# KiCad board Marble.kicad_pcb (continued)
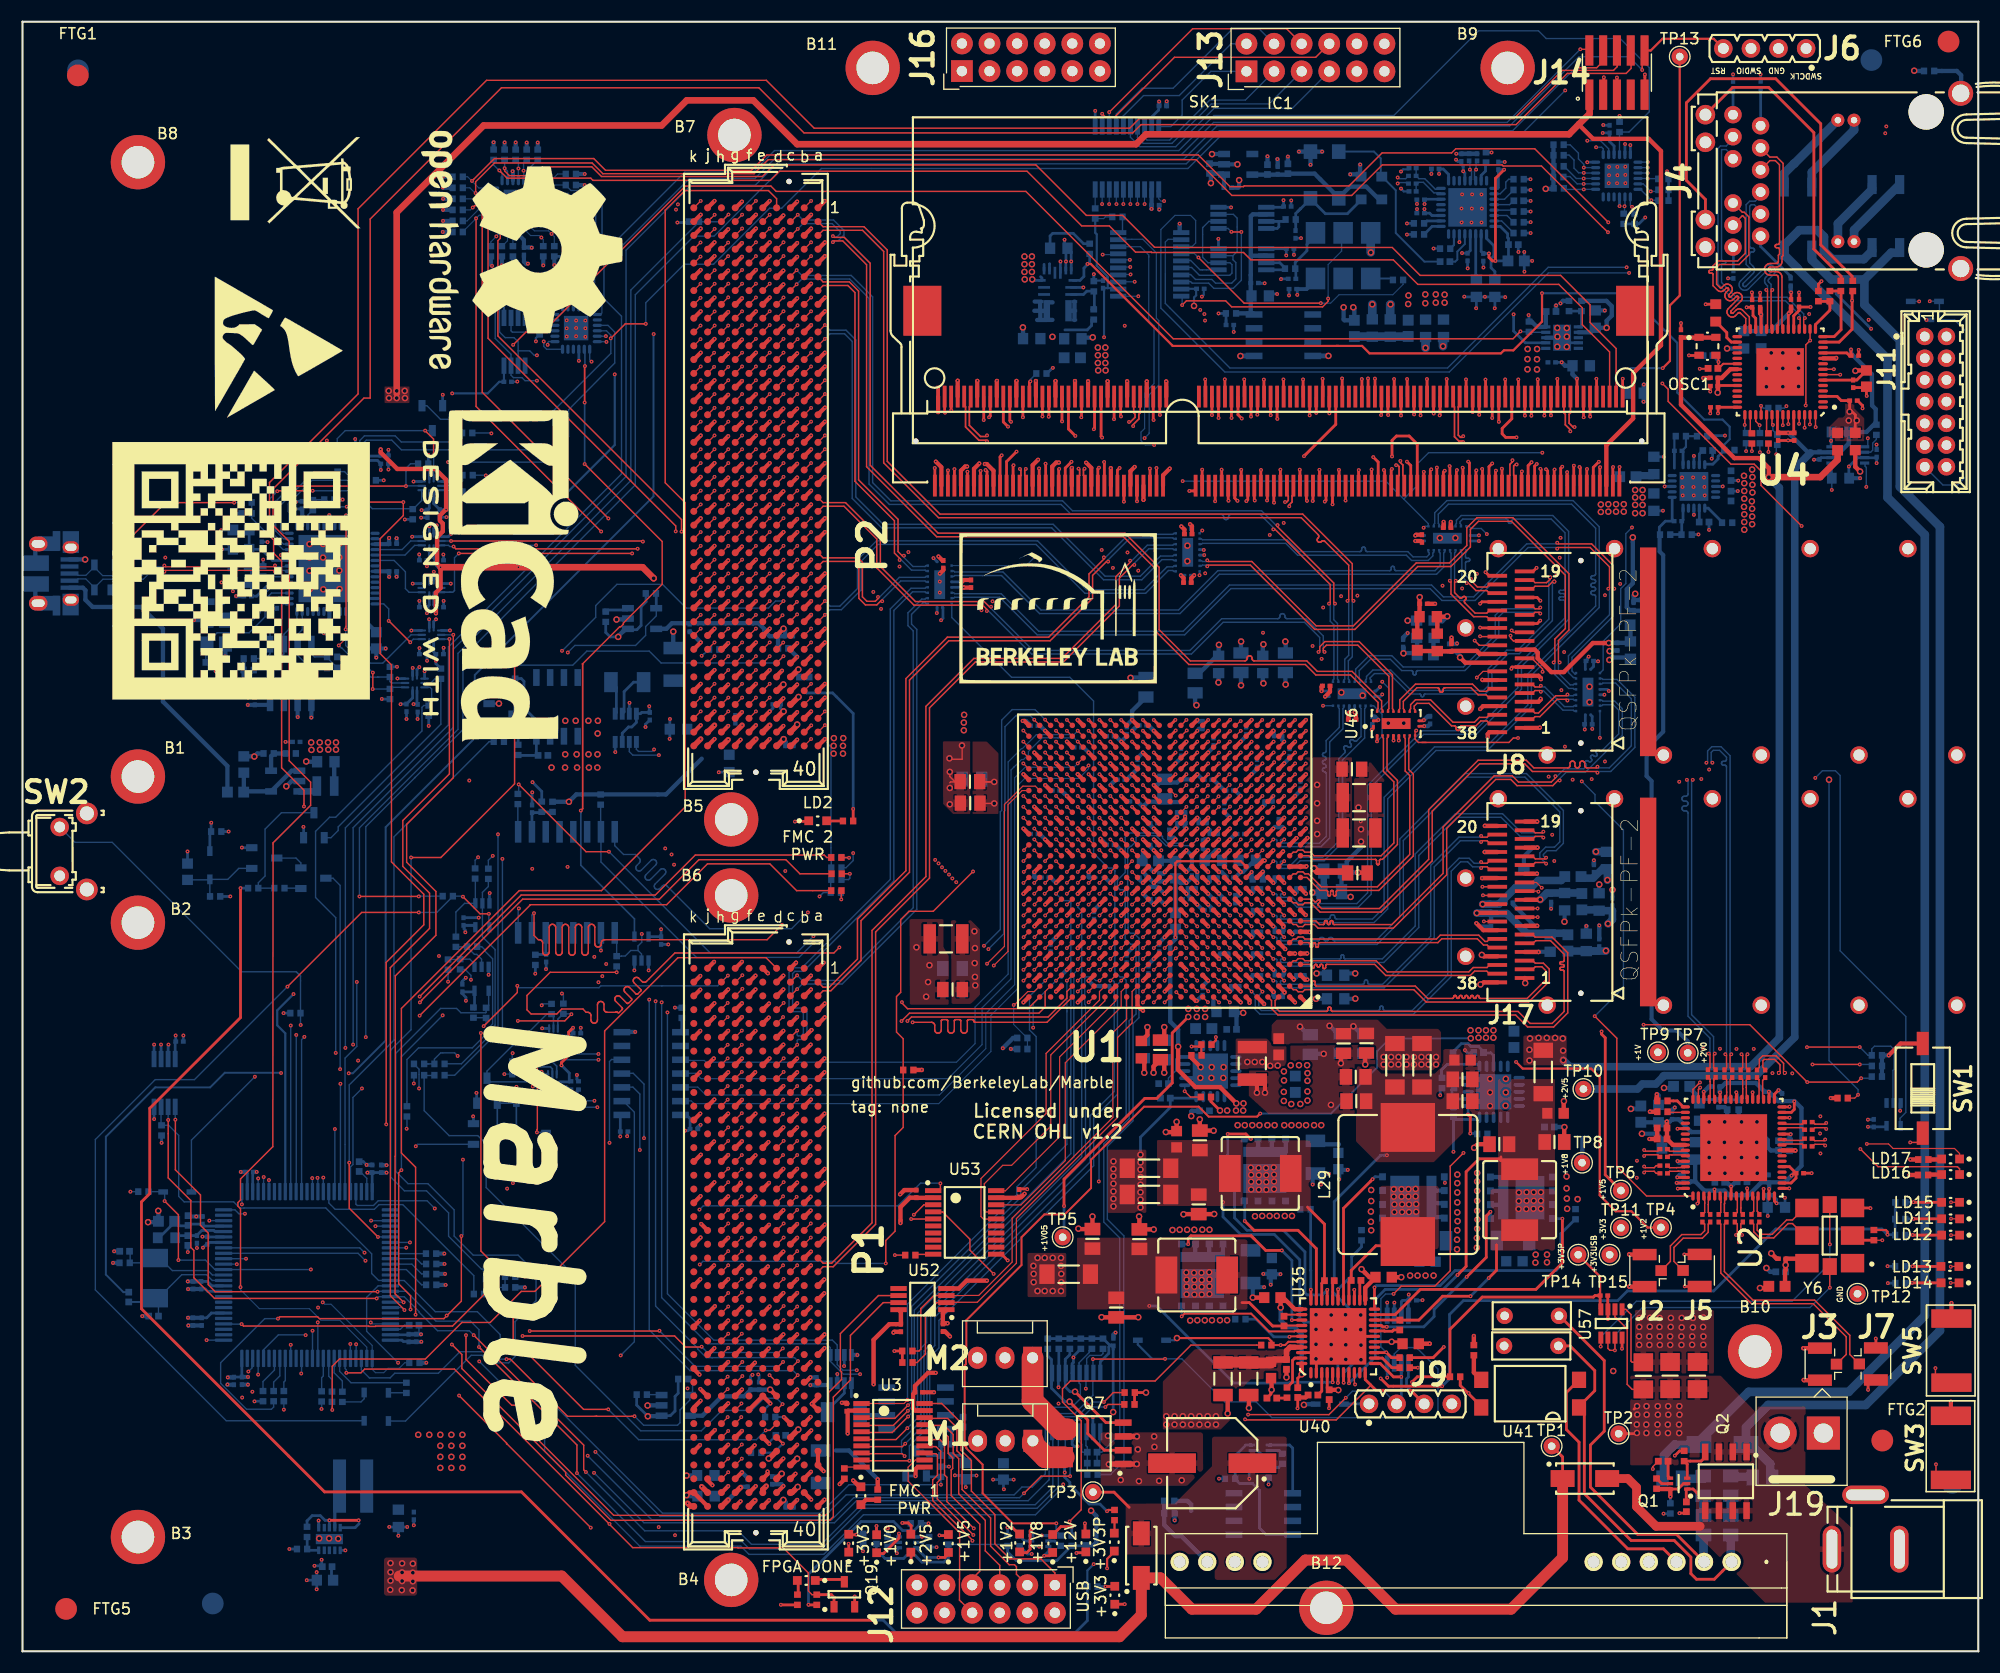
[diagram p0: board, top side]
## Nets (continued)
/FPGA/SI570_CLK_N: C85.2 Y6.5
/FPGA/SI570_CLK_P: C97.2 Y6.4
/FPGA/SI570_OE: R32.2 U39.1 Y6.2
/FPGA/VCXO_EN: U42.20 Y3.2
/FPGA/VREF_DDR3: C14.1 C15.1 C16.1 C17.1 C18.1 C19.1 C25.1 SK1.1 SK1.126 U1.AD3 U1.AE11 U1.AE16 U1.W4 U1.W8 U1.Y18 U31.6
/FPGA/WR_DAC1_SYNC: U19.5 U42.18
/FPGA/WR_DAC2_SYNC: U16.5 U42.15
/FPGA/WR_DAC_DIN: U16.7 U19.7 U42.17
/FPGA/WR_DAC_SCLK: U16.6 U19.6 U42.16
/FPGA_RTS: U1.M16 U15.5
/FPGA_RxD: U1.K15 U38.5
/FPGA_TxD: U1.C16 U38.4
/I2C_DDR3_SCL: R51.1 SK1.202 U5.8
/I2C_DDR3_SDA: R52.1 SK1.200 U5.7
/I2C_MUX/QSFP1_SCL: J17.11 R53.1 U5.11
/I2C_MUX/QSFP1_SDA: J17.12 R54.1 U5.10
/I2C_MUX/QSFP2_SCL: J8.11 R55.1 U5.13
/I2C_MUX/QSFP2_SDA: J8.12 R56.1 U5.12
/JTAG/FMC1_TDI_R: R237.2 R277.2 U10.1
/JTAG/FMC1_TDO_R: R238.2 R278.2 U10.2
/JTAG/FMC2_TDI_R: R238.1 R279.2 U7.1
/JTAG/FMC2_TDO_R: R275.1 R280.2 U7.2
/JTAG/JTAG_TCK: J11.6 R229.2 R230.2 U8.5
/JTAG/JTAG_TDI: J11.10 R215.2 R231.2 U8.4
/JTAG/JTAG_TDO: J11.8 R216.2 R233.2 U9.4
/JTAG/JTAG_TMS: J11.4 R228.2 R232.2 U9.5
/LPC_RST: D3.2 J6.4 J14.10 R138.1 U54.14
/MMC/AT_DET: R179.2 U41.4 U54.65
/MMC/BOOT_MODE0: R286.2 U54.35
/MMC/BOOT_MODE1: R287.2 U54.36
/MMC/BOOT_MODE2: R288.2 U54.37
/MMC/DDR_1V5_EN: R24.2 R72.2 U47.20 U54.34 U58.1
/MMC/EN_FMC1_P12V: Q8.1 R188.1 U54.57
/MMC/EN_FMC2_P12V: Q9.1 R201.1 U54.56
/MMC/EN_PSU_CH: R245.2 U54.58
/MMC/HW_ID0: R144.1 U54.59
/MMC/HW_ID1: R146.1 U54.60
/MMC/HW_ID2: R147.1 U54.61
/MMC/HW_ID3: R158.1 U54.62
/MMC/I2C_PM_SCL: J9.2 R14.2 U27.16 U28.2 U29.2 U35.12 U54.67
/MMC/I2C_PM_SDA: J9.3 R13.2 U27.15 U28.1 U29.1 U35.11 U54.66
/MMC/ISP_RSTn: D3.1 Q14.3
/MMC/LED1: LD15.1 U54.97
/MMC/LED2: LD11.1 U54.98
/MMC/LED3: LD12.1 U54.1
/MMC/LPC_ISPn: R128.2 U24.5
/MMC/MMC_CONS_PROG_RxD: U25.5 U54.69
/MMC/MMC_CONS_PROG_TxD: U25.4 U54.68
/MMC/OVER_TEMP: D2.1 R178.2 U27.7 U28.3 U29.3 U54.64
/MMC/Pmod3_0: J16.1 U54.96
/MMC/Pmod3_1: J16.3 U54.18
/MMC/Pmod3_2: J16.5 U54.17
/MMC/Pmod3_3: J16.7 U54.47
/MMC/Pmod3_4: J16.2 U54.53
/MMC/Pmod3_5: J16.4 U54.54
/MMC/Pmod3_6: J16.6 U54.87
/MMC/Pmod3_7: J16.8 U54.86
/MMC/VREF: C199.1 C311.1 L9.2 R3.1 U54.22
/MMC_TCK: J6.1 J14.4 R137.1 U54.76
/MMC_TDI: J14.8 U54.77
/MMC_TDO: J14.6 U54.89
/MMC_TMS: J6.3 J14.2 U54.72
/MUX1_MMC: R297.1 U44.9 U54.39
/MUX2_MMC: R298.1 U45.9 U54.40
/MUX3_MMC: R299.1 U46.9 U49.9 U50.9 U54.41 U56.2
/PMOD/Pmod1_0: U1.C24 U3.1
/PMOD/Pmod1_1: U1.C22 U3.3
/PMOD/Pmod1_2: U1.L23 U3.4
/PMOD/Pmod1_3: U1.D21 U3.5
/PMOD/Pmod1_4: U1.K21 U3.6
/PMOD/Pmod1_5: U1.C18 U3.7
/PMOD/Pmod1_6: U1.C19 U3.8
/PMOD/Pmod1_7: U1.C17 U3.9
/PMOD/Pmod1_C_0: J12.1 U3.20
/PMOD/Pmod1_C_1: J12.3 U3.18
/PMOD/Pmod1_C_2: J12.5 U3.17
/PMOD/Pmod1_C_3: J12.7 U3.16
/PMOD/Pmod1_C_4: J12.2 U3.15
/PMOD/Pmod1_C_5: J12.4 U3.14
/PMOD/Pmod1_C_6: J12.6 U3.13
/PMOD/Pmod1_C_7: J12.8 U3.12
/PMOD/Pmod2_0: U1.AE7 U12.1
/PMOD/Pmod2_1: U1.V7 U12.3
/PMOD/Pmod2_2: U1.Y7 U12.4
/PMOD/Pmod2_3: U1.AF7 U12.5
/PMOD/Pmod2_4: U1.V8 U12.6
/PMOD/Pmod2_5: U1.AA8 U12.7
/PMOD/Pmod2_6: U1.Y8 U12.8
/PMOD/Pmod2_7: U1.W9 U12.9
/PMOD/Pmod2_C_0: J13.1 U12.20
/PMOD/Pmod2_C_1: J13.3 U12.18
/PMOD/Pmod2_C_2: J13.5 U12.17
/PMOD/Pmod2_C_3: J13.7 U12.16
/PMOD/Pmod2_C_4: J13.2 U12.15
/PMOD/Pmod2_C_5: J13.4 U12.14
/PMOD/Pmod2_C_6: J13.6 U12.13
/PMOD/Pmod2_C_7: J13.8 U12.12
/Power/Power_SW/EN_1V2: R167.2 U35.14
/Power/Power_SW/EN_1V8: R157.2 U35.13
/Power/Power_SW/PSS_XRP_BST1: C147.1 U35.35
/Power/Power_SW/PSS_XRP_BST2: C148.1 U35.29
/Power/Power_SW/PSS_XRP_BST3: C149.1 U35.24
/Power/Power_SW/PSS_XRP_BST4: C150.1 U35.18
/Power/Power_SW/PSS_XRP_GH1: Q10.1 U35.36
/Power/Power_SW/PSS_XRP_GH2: Q11.1 U35.30
/Power/Power_SW/PSS_XRP_GH3: Q12.1 U35.25
/Power/Power_SW/PSS_XRP_GH4: Q13.1 U35.19
/Power/Power_SW/PSS_XRP_GL1: Q10.8 U35.38
/Power/Power_SW/PSS_XRP_GL2: Q11.8 U35.32
/Power/Power_SW/PSS_XRP_GL3: Q12.8 U35.27
/Power/Power_SW/PSS_XRP_GL4: Q13.8 U35.21
/Power/Power_SW/PSS_XRP_LX1: C147.2 L17.1 Q10.9 U35.37
/Power/Power_SW/PSS_XRP_LX2: C148.2 L18.1 Q11.9 U35.31
/Power/Power_SW/PSS_XRP_LX3: C149.2 L29.1 Q12.9 U35.26
/Power/Power_SW/PSS_XRP_LX4: C150.2 L20.1 Q13.9 U35.20
/Power/Power_SW/XR77129ILB_F_VOUT1: C152.1 C160.1 C346.1 L17.2 L21.1 U35.5
/Power/Power_SW/XR77129ILB_F_VOUT2: C154.1 C194.1 C347.1 L18.2 L22.1 L45.1 U35.6
/Power/Power_SW/XR77129ILB_F_VOUT3: C158.1 C340.1 C341.1 C345.1 C349.1 L14.1 L29.2 L32.1 U35.7
/Power/Power_SW/XR77129ILB_F_VOUT4: C156.1 C330.1 C348.1 L20.2 L31.1 U35.8
/QSFP1/QSFP_Vcc: C406.1 C409.1 J17.30 L44.2
/QSFP1/QSFP_VccRx: C404.1 C407.1 J17.10 L30.2
/QSFP1/QSFP_VccTx: C405.1 C408.1 J17.29 L43.2
/QSFP2/QSFP_Vcc: C301.1 C304.1 J8.30 L5.2
/QSFP2/QSFP_VccRx: C299.1 C302.1 J8.10 L1.2
/QSFP2/QSFP_VccTx: C300.1 C303.1 J8.29 L2.2
/SDRAM/DDR3_A0: SK1.98 U1.AC8
/SDRAM/DDR3_A1: SK1.97 U1.AB10
/SDRAM/DDR3_A2: SK1.96 U1.AA9
/SDRAM/DDR3_A3: SK1.95 U1.AA10
/SDRAM/DDR3_A4: SK1.92 U1.AD10
/SDRAM/DDR3_A5: SK1.91 U1.AC12
/SDRAM/DDR3_A6: SK1.90 U1.AB11
/SDRAM/DDR3_A7: SK1.86 U1.AC11
/SDRAM/DDR3_A8: SK1.89 U1.AF13
/SDRAM/DDR3_A9: SK1.85 U1.AE13
/SDRAM/DDR3_A10: SK1.107 U1.AE10
/SDRAM/DDR3_A11: SK1.84 U1.AD11
/SDRAM/DDR3_A12: SK1.83 U1.AA12
/SDRAM/DDR3_A13: SK1.119 U1.AE8
/SDRAM/DDR3_A14: SK1.80 U1.AB12
/SDRAM/DDR3_A15: SK1.78 U1.AD13
/SDRAM/DDR3_BA0: SK1.109 U1.AF10
/SDRAM/DDR3_BA1: SK1.108 U1.AD8
/SDRAM/DDR3_BA2: SK1.79 U1.AC13
/SDRAM/DDR3_DM0: SK1.11 U1.AF17
/SDRAM/DDR3_DM1: SK1.28 U1.W15
/SDRAM/DDR3_DM2: SK1.46 U1.AC19
/SDRAM/DDR3_DM3: SK1.63 U1.AA15
/SDRAM/DDR3_DM4: SK1.136 U1.AC3
/SDRAM/DDR3_DM5: SK1.153 U1.AD4
/SDRAM/DDR3_DM6: SK1.170 U1.W1
/SDRAM/DDR3_DM7: SK1.187 U1.U7
/SDRAM/DDR3_DQ0: SK1.5 U1.AF20
/SDRAM/DDR3_DQ1: SK1.7 U1.AF19
/SDRAM/DDR3_DQ2: SK1.15 U1.AE17
/SDRAM/DDR3_DQ3: SK1.17 U1.AE15
/SDRAM/DDR3_DQ4: SK1.4 U1.AD16
/SDRAM/DDR3_DQ5: SK1.6 U1.AD15
/SDRAM/DDR3_DQ6: SK1.16 U1.AF15
/SDRAM/DDR3_DQ7: SK1.18 U1.AF14
/SDRAM/DDR3_DQ8: SK1.21 U1.V17
/SDRAM/DDR3_DQ9: SK1.23 U1.Y17
/SDRAM/DDR3_DQ10: SK1.33 U1.V18
/SDRAM/DDR3_DQ11: SK1.35 U1.V19
/SDRAM/DDR3_DQ12: SK1.22 U1.V16
/SDRAM/DDR3_DQ13: SK1.24 U1.W16
/SDRAM/DDR3_DQ14: SK1.34 U1.V14
/SDRAM/DDR3_DQ15: SK1.36 U1.W14
/SDRAM/DDR3_DQ16: SK1.39 U1.AA20
/SDRAM/DDR3_DQ17: SK1.41 U1.AD19
/SDRAM/DDR3_DQ18: SK1.51 U1.AB17
/SDRAM/DDR3_DQ19: SK1.53 U1.AC17
/SDRAM/DDR3_DQ20: SK1.40 U1.AA19
/SDRAM/DDR3_DQ21: SK1.42 U1.AB19
/SDRAM/DDR3_DQ22: SK1.50 U1.AD18
/SDRAM/DDR3_DQ23: SK1.52 U1.AC18
/SDRAM/DDR3_DQ24: SK1.57 U1.AA18
/SDRAM/DDR3_DQ25: SK1.59 U1.AB16
/SDRAM/DDR3_DQ26: SK1.67 U1.AA14
/SDRAM/DDR3_DQ27: SK1.69 U1.AD14
/SDRAM/DDR3_DQ28: SK1.56 U1.AB15
/SDRAM/DDR3_DQ29: SK1.58 U1.AA17
/SDRAM/DDR3_DQ30: SK1.68 U1.AC14
/SDRAM/DDR3_DQ31: SK1.70 U1.AB14
/SDRAM/DDR3_DQ32: SK1.129 U1.AD6
/SDRAM/DDR3_DQ33: SK1.131 U1.AB6
/SDRAM/DDR3_DQ34: SK1.141 U1.Y6
/SDRAM/DDR3_DQ35: SK1.143 U1.AC4
/SDRAM/DDR3_DQ36: SK1.130 U1.AC6
/SDRAM/DDR3_DQ37: SK1.132 U1.AB4
/SDRAM/DDR3_DQ38: SK1.140 U1.AA4
/SDRAM/DDR3_DQ39: SK1.142 U1.Y5
/SDRAM/DDR3_DQ40: SK1.147 U1.AF2
/SDRAM/DDR3_DQ41: SK1.149 U1.AE2
/SDRAM/DDR3_DQ42: SK1.157 U1.AE1
/SDRAM/DDR3_DQ43: SK1.159 U1.AD1
/SDRAM/DDR3_DQ44: SK1.146 U1.AE5
/SDRAM/DDR3_DQ45: SK1.148 U1.AE6
/SDRAM/DDR3_DQ46: SK1.158 U1.AF3
/SDRAM/DDR3_DQ47: SK1.160 U1.AE3
/SDRAM/DDR3_DQ48: SK1.163 U1.AA3
/SDRAM/DDR3_DQ49: SK1.165 U1.AC2
/SDRAM/DDR3_DQ50: SK1.175 U1.V2
/SDRAM/DDR3_DQ51: SK1.177 U1.V1
/SDRAM/DDR3_DQ52: SK1.164 U1.AB2
/SDRAM/DDR3_DQ53: SK1.166 U1.Y3
/SDRAM/DDR3_DQ54: SK1.174 U1.Y2
/SDRAM/DDR3_DQ55: SK1.176 U1.Y1
/SDRAM/DDR3_DQ56: SK1.181 U1.W3
/SDRAM/DDR3_DQ57: SK1.183 U1.V4
/SDRAM/DDR3_DQ58: SK1.191 U1.U2
/SDRAM/DDR3_DQ59: SK1.193 U1.U1
/SDRAM/DDR3_DQ60: SK1.180 U1.V6
/SDRAM/DDR3_DQ61: SK1.182 U1.V3
/SDRAM/DDR3_DQ62: SK1.192 U1.U6
/SDRAM/DDR3_DQ63: SK1.194 U1.U5
/SDRAM/PGOOD: R29.2 U31.9 U54.80
/THERM: R130.2 U27.6 U39.7
/USB/USB_D_N: D13.2 J10.2 U23.7
/USB/USB_D_P: D13.3 J10.3 U23.8
/USB_TCK: R230.1 U26.5
/USB_TDI_DO: R231.1 U26.4
/USB_TDO_DI: R233.1 U33.4
/USB_TMS: R232.1 U33.5
/WhiteRabbit/WR_DAC_OUT1: C109.1 R93.1 Y1.1 Y2.1
/WhiteRabbit/WR_DAC_OUT2: C108.1 R92.1 Y3.1
DDR_REF_CLK_N: C410.2 R22.2 U20.31
DDR_REF_CLK_P: C379.2 R23.2 U20.32
FMC1_DP0_C2M_N: P1.C3 U44.12
FMC1_DP0_C2M_P: P1.C2 U44.13
FMC1_DP0_M2C_N: P1.C7 U44.14
FMC1_DP0_M2C_P: P1.C6 U44.15
FMC1_DP1_C2M_N: P1.A23 U45.16
FMC1_DP1_C2M_P: P1.A22 U45.17
FMC1_DP1_M2C_N: P1.A3 U45.18
FMC1_DP1_M2C_P: P1.A2 U45.19
FMC1_LA_0_N: P1.G7 U1.H18
FMC1_LA_0_P: P1.G6 U1.H17
FMC1_LA_1_N: P1.D9 U1.F18
FMC1_LA_1_P: P1.D8 U1.G17
FMC1_LA_2_N: P1.H8 U1.J20
FMC1_LA_2_P: P1.H7 U1.K20
FMC1_LA_3_N: P1.G10 U1.L18
FMC1_LA_3_P: P1.G9 U1.M17
FMC1_LA_4_N: P1.H11 U1.G20
FMC1_LA_4_P: P1.H10 U1.H19
FMC1_LA_5_N: P1.D12 U1.E20
FMC1_LA_5_P: P1.D11 U1.F19
FMC1_LA_6_N: P1.C11 U1.L20
FMC1_LA_6_P: P1.C10 U1.L19
FMC1_LA_7_N: P1.H14 U1.D20
FMC1_LA_7_P: P1.H13 U1.D19
FMC1_LA_8_N: P1.G13 U1.F20
FMC1_LA_8_P: P1.G12 U1.G19
FMC1_LA_9_N: P1.D15 U1.J19
FMC1_LA_9_P: P1.D14 U1.J18
FMC1_LA_10_N: P1.C15 U1.G16
FMC1_LA_10_P: P1.C14 U1.H16
FMC1_LA_11_N: P1.H17 U1.K18
FMC1_LA_11_P: P1.H16 U1.L17
FMC1_LA_12_N: P1.G16 U1.F15
FMC1_LA_12_P: P1.G15 U1.G15
FMC1_LA_13_N: P1.D18 U1.D16
FMC1_LA_13_P: P1.D17 U1.D15
FMC1_LA_14_N: P1.C19 U1.E16
FMC1_LA_14_P: P1.C18 U1.E15
FMC1_LA_15_N: P1.H20 U1.J16
FMC1_LA_15_P: P1.H19 U1.J15
FMC1_LA_16_N: P1.G19 U1.K17
FMC1_LA_16_P: P1.G18 U1.K16
FMC1_LA_17_N: P1.D21 U1.D10
FMC1_LA_17_P: P1.D20 U1.E10
FMC1_LA_18_N: P1.C23 U1.C11
FMC1_LA_18_P: P1.C22 U1.C12
FMC1_LA_19_N: P1.H23 U1.G14
FMC1_LA_19_P: P1.H22 U1.H14
FMC1_LA_20_N: P1.G22 U1.A15
FMC1_LA_20_P: P1.G21 U1.B15
FMC1_LA_21_N: P1.H26 U1.D13
FMC1_LA_21_P: P1.H25 U1.D14
FMC1_LA_22_N: P1.G25 U1.A14
FMC1_LA_22_P: P1.G24 U1.B14
FMC1_LA_23_N: P1.D24 U1.F12
FMC1_LA_23_P: P1.D23 U1.G12
FMC1_LA_24_N: P1.H29 U1.A8
FMC1_LA_24_P: P1.H28 U1.A9
FMC1_LA_25_N: P1.G28 U1.G9
FMC1_LA_25_P: P1.G27 U1.G10
FMC1_LA_26_N: P1.D27 U1.E12
FMC1_LA_26_P: P1.D26 U1.E13
FMC1_LA_27_N: P1.C27 U1.F13
FMC1_LA_27_P: P1.C26 U1.F14
FMC1_LA_28_N: P1.H32 U1.H13
FMC1_LA_28_P: P1.H31 U1.J13
FMC1_LA_29_N: P1.G31 U1.F8
FMC1_LA_29_P: P1.G30 U1.F9
FMC1_LA_30_N: P1.H35 U1.B11
FMC1_LA_30_P: P1.H34 U1.B12
FMC1_LA_31_N: P1.G34 U1.A12
FMC1_LA_31_P: P1.G33 U1.A13
FMC1_LA_32_N: P1.H38 U1.C13
FMC1_LA_32_P: P1.H37 U1.C14
FMC1_LA_33_N: P1.G37 U1.A10
FMC1_LA_33_P: P1.G36 U1.B10
FMC2_DP0_C2M_N: P2.C3 U46.18
FMC2_DP0_C2M_P: P2.C2 U46.19
FMC2_DP0_M2C_N: P2.C7 U48.12
FMC2_DP0_M2C_P: P2.C6 U48.13
FMC2_DP1_C2M_N: P2.A23 U46.16
FMC2_DP1_C2M_P: P2.A22 U46.17
FMC2_DP1_M2C_N: P2.A3 U48.14
FMC2_DP1_M2C_P: P2.A2 U48.15
FMC2_DP2_C2M_N: P2.A27 U44.16
FMC2_DP2_C2M_P: P2.A26 U44.17
FMC2_DP2_M2C_N: P2.A7 U44.18
FMC2_DP2_M2C_P: P2.A6 U44.19
FMC2_DP3_C2M_N: P2.A31 U45.12
FMC2_DP3_C2M_P: P2.A30 U45.13
FMC2_DP3_M2C_N: P2.A11 U45.14
FMC2_DP3_M2C_P: P2.A10 U45.15
FMC2_HA00_CC_N: P2.F5 U1.N22
FMC2_HA00_CC_P: P2.F4 U1.N21
FMC2_HA01_CC_N: P2.E3 U1.P21
FMC2_HA01_CC_P: P2.E2 U1.R21
FMC2_HA02_N: P2.K8 U1.U20
FMC2_HA02_P: P2.K7 U1.U19
FMC2_HA03_N: P2.J7 U1.T19
FMC2_HA03_P: P2.J6 U1.T18
FMC2_HA04_N: P2.F8 U1.R17
FMC2_HA04_P: P2.F7 U1.R16
FMC2_HA05_N: P2.E7 U1.N17
FMC2_HA05_P: P2.E6 U1.P16
FMC2_HA06_N: P2.K11 U1.P18
FMC2_HA06_P: P2.K10 U1.R18
FMC2_HA07_N: P2.J10 U1.T25
FMC2_HA07_P: P2.J9 U1.T24
FMC2_HA08_N: P2.F11 U1.T23
FMC2_HA08_P: P2.F10 U1.T22
FMC2_HA09_N: P2.E10 U1.T17
FMC2_HA09_P: P2.E9 U1.U17
FMC2_HA10_N: P2.K14 U1.K26
FMC2_HA10_P: P2.K13 U1.K25
FMC2_HA11_N: P2.J13 U1.M19
FMC2_HA11_P: P2.J12 U1.N18
FMC2_HA12_N: P2.F14 U1.L24
FMC2_HA12_P: P2.F13 U1.M24
FMC2_HA13_N: P2.E13 U1.R20
FMC2_HA13_P: P2.E12 U1.T20
FMC2_HA14_N: P2.J16 U1.P20
FMC2_HA14_P: P2.J15 U1.P19
FMC2_HA15_N: P2.F17 U1.P25
FMC2_HA15_P: P2.F16 U1.R25
FMC2_HA16_N: P2.E16 U1.P26
FMC2_HA16_P: P2.E15 U1.R26
FMC2_HA17_CC_N: P2.K17 U1.R23
FMC2_HA17_CC_P: P2.K16 U1.R22
FMC2_HA18_N: P2.J19 U1.M22
FMC2_HA18_P: P2.J18 U1.M21
FMC2_HA19_N: P2.F20 U1.M20
FMC2_HA19_P: P2.F19 U1.N19
FMC2_HA20_N: P2.E19 U1.N23
FMC2_HA20_P: P2.E18 U1.P23
FMC2_HA21_N: P2.K20 U1.N24
FMC2_HA21_P: P2.K19 U1.P24
FMC2_HA22_N: P2.J22 U1.M26
FMC2_HA22_P: P2.J21 U1.N26
FMC2_HA23_N: P2.K23 U1.L25
FMC2_HA23_P: P2.K22 U1.M25
FMC2_LA_0_N: P2.G7 U1.AA22
FMC2_LA_0_P: P2.G6 U1.Y22
FMC2_LA_1_N: P2.D9 U1.AB24
FMC2_LA_1_P: P2.D8 U1.AA23
FMC2_LA_2_N: P2.H8 U1.AF22
FMC2_LA_2_P: P2.H7 U1.AE22
FMC2_LA_3_N: P2.G10 U1.AE26
FMC2_LA_3_P: P2.G9 U1.AD26
FMC2_LA_4_N: P2.H11 U1.W21
FMC2_LA_4_P: P2.H10 U1.V21
FMC2_LA_5_N: P2.D12 U1.AC26
FMC2_LA_5_P: P2.D11 U1.AB26
FMC2_LA_6_N: P2.C11 U1.AD24
FMC2_LA_6_P: P2.C10 U1.AD23
FMC2_LA_7_N: P2.H14 U1.AC22
FMC2_LA_7_P: P2.H13 U1.AB22
FMC2_LA_8_N: P2.G13 U1.AC24
FMC2_LA_8_P: P2.G12 U1.AC23
FMC2_LA_9_N: P2.D15 U1.V26
FMC2_LA_9_P: P2.D14 U1.U26
FMC2_LA_10_N: P2.C15 U1.AF23
FMC2_LA_10_P: P2.C14 U1.AE23
FMC2_LA_11_N: P2.H17 U1.W24
FMC2_LA_11_P: P2.H16 U1.W23
FMC2_LA_12_N: P2.G16 U1.AB25
FMC2_LA_12_P: P2.G15 U1.AA25
FMC2_LA_13_N: P2.D18 U1.V24
FMC2_LA_13_P: P2.D17 U1.V23
FMC2_LA_14_N: P2.C19 U1.U25
FMC2_LA_14_P: P2.C18 U1.U24
FMC2_LA_15_N: P2.H20 U1.V22
FMC2_LA_15_P: P2.H19 U1.U22
FMC2_LA_16_N: P2.G19 U1.W26
FMC2_LA_16_P: P2.G18 U1.W25
FMC2_LA_17_N: P2.D21 U1.F23
FMC2_LA_17_P: P2.D20 U1.G22
FMC2_LA_18_N: P2.C23 U1.F24
FMC2_LA_18_P: P2.C22 U1.G24
FMC2_LA_19_N: P2.H23 U1.J23
FMC2_LA_19_P: P2.H22 U1.K23
FMC2_LA_20_N: P2.G22 U1.K22
FMC2_LA_20_P: P2.G21 U1.L22
FMC2_LA_21_N: P2.H26 U1.H22
FMC2_LA_21_P: P2.H25 U1.J21
FMC2_LA_22_N: P2.G25 U1.D25
FMC2_LA_22_P: P2.G24 U1.E25
FMC2_LA_23_N: P2.D24 U1.H24
FMC2_LA_23_P: P2.D23 U1.H23
FMC2_LA_24_N: P2.H29 U1.J25
FMC2_LA_24_P: P2.H28 U1.J24
FMC2_LA_25_N: P2.G28 U1.D24
FMC2_LA_25_P: P2.G27 U1.D23
FMC2_LA_26_N: P2.D27 U1.E26
FMC2_LA_26_P: P2.D26 U1.F25
FMC2_LA_27_N: P2.C27 U1.G21
FMC2_LA_27_P: P2.C26 U1.H21
FMC2_LA_28_N: P2.H32 U1.G26
FMC2_LA_28_P: P2.H31 U1.G25
FMC2_LA_29_N: P2.G31 U1.H26
FMC2_LA_29_P: P2.G30 U1.J26
FMC2_LA_30_N: P2.H35 U1.C26
FMC2_LA_30_P: P2.H34 U1.D26
FMC2_LA_31_N: P2.G34 U1.E22
FMC2_LA_31_P: P2.G33 U1.E21
FMC2_LA_32_N: P2.H38 U1.A20
FMC2_LA_32_P: P2.H37 U1.B20
FMC2_LA_33_N: P2.G37 U1.B21
FMC2_LA_33_P: P2.G36 U1.C21
MGTAVCC: C1.1 C4.1 C217.1 C219.1 C221.1 C381.1 L34.2 TP5.1 U1.C6 U1.E6 U1.G6 U1.J6 U1.L6
MGTAVTT: C146.1 C225.1 C228.1 C230.1 C232.1 C234.1 C236.1 C238.1 C380.1 L16.2 R161.2 R253.1 U1.B3 U1.C2 U1.D3 U1.G2 U1.H3 U1.L2 U1.M3 U1.M5
VTT_DDR3: C26.1 C27.1 SK1.203 SK1.204 TP13.1 U31.3 U31.5
Net-(C28-Pad1): C28.1 C29.1 L19.2 Y6.6
Net-(C38-Pad1): C38.1 R224.2 R225.2 U30.2
Net-(C39-Pad1): C39.1 R227.2 U30.14
Net-(C42-Pad2): C42.2 C45.1 C46.1 C48.1 C50.1 C52.1 L3.2 U4.3 U4.19 U4.26 U4.35 U4.38
Net-(C47-Pad2): C47.2 C49.1 C51.1 L4.2 U4.20 U4.25
Net-(C58-Pad1): C58.1 J4.7
Net-(C59-Pad1): C59.1 J4.1
Net-(C60-Pad1): C60.1 J4.6
Net-(C71-Pad2): C71.2 R68.1 R69.2 U47.16
Net-(C73-Pad1): C73.1 U47.19
Net-(C75-Pad2): C75.2 R70.2 R71.1 U47.10
Net-(C77-Pad2): C77.2 U47.7
Net-(C93-Pad1): C93.1 R132.1 U54.13 Y5.2
Net-(C102-Pad1): C92.1 C102.1 U54.12 Y5.1
Net-(C106-Pad1): C90.1 C106.1 R58.1 U14.8 U16.2 U19.2
Net-(C107-Pad1): C81.1 C91.1 C107.1 U13.5 Y1.6 Y2.4
Net-(C111-Pad1): C111.1 C113.1 L11.2 L12.1
Net-(C114-Pad1): C114.1 Y1.4 Y2.3
Net-(C114-Pad2): C114.2 U20.21
Net-(C120-Pad1): C120.1 U20.19
Net-(C121-Pad1): C121.1 U20.17
Net-(C123-Pad1): C123.1 C126.1 C210.1 L26.1 U20.9 U20.16 U20.18
Net-(C127-Pad1): C127.1 C140.1 U35.4 U35.16
Net-(C128-Pad1): C128.1 D4.2 J1.1 J19.2 Q1.1 Q2.5 Q2.6 Q2.7 Q2.8
Net-(C129-Pad1): C129.1 C130.1 D4.1 D12.1 TP1.1 U18.2 U18.3
Net-(C134-Pad2): C134.2 Q16.4 R213.2
Net-(C135-Pad2): C135.2 Q23.4 R214.2
Net-(C138-Pad2): C138.2 U35.3
Net-(C143-Pad1): C143.1 L16.1 R168.1 TP4.1 U36.1 U36.18 U36.19 U36.20
Net-(C144-Pad1): C144.1 C361.1 C362.1 U35.23 U35.34 U35.44
Net-(C162-Pad1): C162.1 L10.2 U22.1 U22.4
Net-(C165-Pad1): C165.1 U23.4 Y4.1
Net-(C167-Pad1): C167.1 C174.1 L24.2 U23.5
Net-(C168-Pad1): C168.1 C175.1 L25.2 U23.9
Net-(C171-Pad1): C171.1 U23.3 Y4.3
Net-(C188-Pad2): C188.2 C189.2 R129.2 U27.11 U27.12
Net-(C307-Pad2): C307.2 U54.73
Net-(C308-Pad1): C308.1 C310.1 R3.2 U54.21
Net-(C309-Pad2): C309.2 U54.49
Net-(C322-Pad2): C322.2 C323.1 C325.1 C326.1 C329.1 C357.1 L6.2 U2.5 U2.15 U2.18 U2.21 U2.31 U2.34 U2.43 U2.59 U2.63
Net-(C350-Pad1): C350.1 D12.2 Q4.5 Q4.6 Q4.7 Q4.8 Q22.1 R197.1 TP3.1 U40.8
Net-(C352-Pad1): C352.1 J4.12
Net-(C353-Pad1): C353.1 L39.2 U40.1 U41.1
Net-(C354-Pad1): C354.1 L40.2 U40.2
Net-(C360-Pad1): C360.1 D16.2 Q18.1 R270.2
Net-(C374-Pad1): C374.1 C375.1 OSC1.3 U4.34
Net-(C383-Pad1): C383.1 L34.1 R195.1 U37.1 U37.18 U37.19 U37.20
Net-(C393-Pad1): C393.1 U36.15
Net-(C394-Pad1): C394.1 U37.15
Net-(C417-Pad2): C417.2 U20.12
Net-(D2-Pad2): D2.2 D5.2 J9.1 R245.1 U35.40
Net-(D6-Pad1): D6.1 D7.1 D8.1 L35.1
Net-(D6-Pad2): D6.2 D7.2 D8.2 L36.1
Net-(D13-Pad4): D13.4 J10.1 L10.1 R112.1
Net-(D14-Pad2): D14.2 Q5.3 Q17.1 R246.2
Net-(D17-Pad1): D17.1 R276.2 U7.4
Net-(D18-Pad1): D18.1 R63.2 U10.4
Net-(J1-Pad2): J1.2
Net-(J4-Pad17): J4.17 R67.1
Net-(J4-Pad19): J4.19 R156.1
Net-(J4-Pad21): J4.21 J4.22 R165.2
Net-(J10-Pad4): J10.4
Net-(J11-Pad12): J11.12
Net-(J11-Pad14): J11.14
Net-(J14-Pad7): J14.7
Net-(L13-Pad1): L13.1 U18.9
Net-(L23-Pad1): L23.1 U22.3
Net-(L35-Pad2): L35.2 L37.1
Net-(L36-Pad2): L36.2 L38.1
Net-(L37-Pad2): L37.2 L39.1
Net-(L38-Pad2): L38.2 L40.1
Net-(LD1-Pad2): LD1.2 R235.2
Net-(LD2-Pad2): LD2.2 R236.2
Net-(LD3-Pad1): LD3.1 Q19.3
Net-(LD3-Pad2): LD3.2 R163.2
Net-(LD4-Pad2): LD4.2 R248.2
Net-(LD5-Pad1): LD5.1 Q3.6
Net-(LD5-Pad2): LD5.2 R249.2
Net-(LD6-Pad2): LD6.2 R251.2
Net-(LD7-Pad1): LD7.1 Q3.3
Net-(LD7-Pad2): LD7.2 R252.2
Net-(LD8-Pad1): LD8.1 Q20.6
Net-(LD8-Pad2): LD8.2 R254.2
Net-(LD9-Pad1): LD9.1 Q20.3
Net-(LD9-Pad2): LD9.2 R256.2
Net-(LD10-Pad2): LD10.2 R257.2
Net-(LD11-Pad2): LD11.2 R267.2
Net-(LD12-Pad2): LD12.2 R266.2
Net-(LD13-Pad1): LD13.1 U39.13
Net-(LD13-Pad2): LD13.2 R264.2
Net-(LD14-Pad1): LD14.1 U39.12
Net-(LD14-Pad2): LD14.2 R265.2
Net-(LD15-Pad2): LD15.2 R268.2
Net-(LD16-Pad1): LD16.1 U42.13
Net-(LD16-Pad2): LD16.2 R18.2
Net-(LD17-Pad1): LD17.1 U42.12
Net-(LD17-Pad2): LD17.2 R19.2
Net-(LD18-Pad2): LD18.2 R61.2
Net-(LD19-Pad2): LD19.2 R78.2
Net-(M1-Pad1): M1.1 Q7.7 Q7.8
Net-(M1-Pad3): M1.3 R175.2 U27.2
Net-(M2-Pad1): M2.1 Q7.5 Q7.6
Net-(M2-Pad3): M2.3 R177.2 U27.4
Net-(P1-PadA6): P1.A6
Net-(P1-PadA7): P1.A7
Net-(P1-PadA10): P1.A10
Net-(P1-PadA11): P1.A11
Net-(P1-PadA14): P1.A14
Net-(P1-PadA15): P1.A15
Net-(P1-PadA18): P1.A18
Net-(P1-PadA19): P1.A19
Net-(P1-PadA26): P1.A26
Net-(P1-PadA27): P1.A27
Net-(P1-PadA30): P1.A30
Net-(P1-PadA31): P1.A31
Net-(P1-PadA34): P1.A34
Net-(P1-PadA35): P1.A35
Net-(P1-PadA38): P1.A38
Net-(P1-PadA39): P1.A39
Net-(P1-PadB1): P1.B1
Net-(P1-PadB4): P1.B4
Net-(P1-PadB5): P1.B5
Net-(P1-PadB8): P1.B8
Net-(P1-PadB9): P1.B9
Net-(P1-PadB12): P1.B12
Net-(P1-PadB13): P1.B13
Net-(P1-PadB16): P1.B16
Net-(P1-PadB17): P1.B17
Net-(P1-PadB24): P1.B24
Net-(P1-PadB25): P1.B25
Net-(P1-PadB28): P1.B28
Net-(P1-PadB29): P1.B29
Net-(P1-PadB32): P1.B32
Net-(P1-PadB33): P1.B33
Net-(P1-PadB36): P1.B36
Net-(P1-PadB37): P1.B37
Net-(P1-PadB40): P1.B40
Net-(P1-PadC34): P1.C34 R9.2
Net-(P1-PadD35): P1.D35 R10.2
Net-(P1-PadE2): P1.E2
Net-(P1-PadE3): P1.E3
Net-(P1-PadE6): P1.E6
Net-(P1-PadE7): P1.E7
Net-(P1-PadE9): P1.E9
Net-(P1-PadE10): P1.E10
Net-(P1-PadE12): P1.E12
Net-(P1-PadE13): P1.E13
Net-(P1-PadE15): P1.E15
Net-(P1-PadE16): P1.E16
Net-(P1-PadE18): P1.E18
Net-(P1-PadE19): P1.E19
Net-(P1-PadE21): P1.E21
Net-(P1-PadE22): P1.E22
Net-(P1-PadE24): P1.E24
Net-(P1-PadE25): P1.E25
Net-(P1-PadE27): P1.E27
Net-(P1-PadE28): P1.E28
Net-(P1-PadE30): P1.E30
Net-(P1-PadE31): P1.E31
Net-(P1-PadE33): P1.E33
Net-(P1-PadE34): P1.E34
Net-(P1-PadE36): P1.E36
Net-(P1-PadE37): P1.E37
Net-(P1-PadF1): P1.F1
Net-(P1-PadF4): P1.F4
Net-(P1-PadF5): P1.F5
Net-(P1-PadF7): P1.F7
Net-(P1-PadF8): P1.F8
Net-(P1-PadF10): P1.F10
Net-(P1-PadF11): P1.F11
Net-(P1-PadF13): P1.F13
Net-(P1-PadF14): P1.F14
Net-(P1-PadF16): P1.F16
Net-(P1-PadF17): P1.F17
Net-(P1-PadF19): P1.F19
Net-(P1-PadF20): P1.F20
Net-(P1-PadF22): P1.F22
Net-(P1-PadF23): P1.F23
Net-(P1-PadF25): P1.F25
Net-(P1-PadF26): P1.F26
Net-(P1-PadF28): P1.F28
Net-(P1-PadF29): P1.F29
Net-(P1-PadF31): P1.F31
Net-(P1-PadF32): P1.F32
Net-(P1-PadF34): P1.F34
Net-(P1-PadF35): P1.F35
Net-(P1-PadF37): P1.F37
Net-(P1-PadF38): P1.F38
Net-(P1-PadH1): P1.H1
Net-(P1-PadJ2): P1.J2
Net-(P1-PadJ3): P1.J3
Net-(P1-PadJ6): P1.J6
Net-(P1-PadJ7): P1.J7
Net-(P1-PadJ9): P1.J9
Net-(P1-PadJ10): P1.J10
Net-(P1-PadJ12): P1.J12
Net-(P1-PadJ13): P1.J13
Net-(P1-PadJ15): P1.J15
Net-(P1-PadJ16): P1.J16
Net-(P1-PadJ18): P1.J18
Net-(P1-PadJ19): P1.J19
Net-(P1-PadJ21): P1.J21
Net-(P1-PadJ22): P1.J22
Net-(P1-PadJ24): P1.J24
Net-(P1-PadJ25): P1.J25
Net-(P1-PadJ27): P1.J27
Net-(P1-PadJ28): P1.J28
Net-(P1-PadJ30): P1.J30
Net-(P1-PadJ31): P1.J31
Net-(P1-PadJ33): P1.J33
Net-(P1-PadJ34): P1.J34
Net-(P1-PadJ36): P1.J36
Net-(P1-PadJ37): P1.J37
Net-(P1-PadK1): P1.K1
Net-(P1-PadK4): P1.K4
Net-(P1-PadK5): P1.K5
Net-(P1-PadK7): P1.K7
Net-(P1-PadK8): P1.K8
Net-(P1-PadK10): P1.K10
Net-(P1-PadK11): P1.K11
Net-(P1-PadK13): P1.K13
Net-(P1-PadK14): P1.K14
Net-(P1-PadK16): P1.K16
Net-(P1-PadK17): P1.K17
Net-(P1-PadK19): P1.K19
Net-(P1-PadK20): P1.K20
Net-(P1-PadK22): P1.K22
Net-(P1-PadK23): P1.K23
Net-(P1-PadK25): P1.K25
Net-(P1-PadK26): P1.K26
Net-(P1-PadK28): P1.K28
Net-(P1-PadK29): P1.K29
Net-(P1-PadK31): P1.K31
Net-(P1-PadK32): P1.K32
Net-(P1-PadK34): P1.K34
Net-(P1-PadK35): P1.K35
Net-(P1-PadK37): P1.K37
Net-(P1-PadK38): P1.K38
Net-(P2-PadA14): P2.A14
Net-(P2-PadA15): P2.A15
Net-(P2-PadA18): P2.A18
Net-(P2-PadA19): P2.A19
Net-(P2-PadA34): P2.A34
Net-(P2-PadA35): P2.A35
Net-(P2-PadA38): P2.A38
Net-(P2-PadA39): P2.A39
Net-(P2-PadB1): P2.B1
Net-(P2-PadB4): P2.B4
Net-(P2-PadB5): P2.B5
Net-(P2-PadB8): P2.B8
Net-(P2-PadB9): P2.B9
Net-(P2-PadB12): P2.B12
Net-(P2-PadB13): P2.B13
Net-(P2-PadB16): P2.B16
Net-(P2-PadB17): P2.B17
Net-(P2-PadB24): P2.B24
Net-(P2-PadB25): P2.B25
Net-(P2-PadB28): P2.B28
Net-(P2-PadB29): P2.B29
Net-(P2-PadB32): P2.B32
Net-(P2-PadB33): P2.B33
Net-(P2-PadB36): P2.B36
Net-(P2-PadB37): P2.B37
Net-(P2-PadB40): P2.B40
Net-(P2-PadC34): P2.C34 R11.2
Net-(P2-PadD35): P2.D35 R12.2
Net-(P2-PadE21): P2.E21
Net-(P2-PadE22): P2.E22
Net-(P2-PadE24): P2.E24
Net-(P2-PadE25): P2.E25
Net-(P2-PadE27): P2.E27
Net-(P2-PadE28): P2.E28
Net-(P2-PadE30): P2.E30
Net-(P2-PadE31): P2.E31
Net-(P2-PadE33): P2.E33
Net-(P2-PadE34): P2.E34
Net-(P2-PadE36): P2.E36
Net-(P2-PadE37): P2.E37
Net-(P2-PadF1): P2.F1
Net-(P2-PadF22): P2.F22
Net-(P2-PadF23): P2.F23
Net-(P2-PadF25): P2.F25
Net-(P2-PadF26): P2.F26
Net-(P2-PadF28): P2.F28
Net-(P2-PadF29): P2.F29
Net-(P2-PadF31): P2.F31
Net-(P2-PadF32): P2.F32
Net-(P2-PadF34): P2.F34
Net-(P2-PadF35): P2.F35
Net-(P2-PadF37): P2.F37
Net-(P2-PadF38): P2.F38
Net-(P2-PadH1): P2.H1
Net-(P2-PadJ2): P2.J2
Net-(P2-PadJ3): P2.J3
Net-(P2-PadJ24): P2.J24
Net-(P2-PadJ25): P2.J25
Net-(P2-PadJ27): P2.J27
Net-(P2-PadJ28): P2.J28
Net-(P2-PadJ30): P2.J30
Net-(P2-PadJ31): P2.J31
Net-(P2-PadJ33): P2.J33
Net-(P2-PadJ34): P2.J34
Net-(P2-PadJ36): P2.J36
Net-(P2-PadJ37): P2.J37
Net-(P2-PadK1): P2.K1
Net-(P2-PadK4): P2.K4
Net-(P2-PadK5): P2.K5
Net-(P2-PadK25): P2.K25
Net-(P2-PadK26): P2.K26
Net-(P2-PadK28): P2.K28
Net-(P2-PadK29): P2.K29
Net-(P2-PadK31): P2.K31
Net-(P2-PadK32): P2.K32
Net-(P2-PadK34): P2.K34
Net-(P2-PadK35): P2.K35
Net-(P2-PadK37): P2.K37
Net-(P2-PadK38): P2.K38
Net-(Q1-Pad2): Q1.2 Q1.6 R104.1 R107.1
Net-(Q1-Pad3): Q1.3 Q2.4 R108.1
Net-(Q1-Pad5): Q1.5 R107.2
Net-(Q3-Pad2): Q3.2 R247.2
Net-(Q3-Pad5): Q3.5 R250.2
Net-(Q6-Pad3): Q6.3 R204.2 U26.2 U33.2
Net-(Q7-Pad2): Q7.2 R174.2 U27.1
Net-(Q7-Pad4): Q7.4 R176.2 U27.3
Net-(Q8-Pad3): Q8.3 R202.2 R213.1
Net-(Q9-Pad3): Q9.3 R203.2 R214.1
Net-(Q14-Pad1): Q14.1 R269.2
Net-(Q14-Pad2): Q14.2 Q18.3
Net-(Q16-Pad5): Q16.5 Q16.6 Q16.7 Q16.8 R182.1 U17.1
Net-(Q17-Pad3): Q17.3 R131.2 U8.2 U9.2
Net-(Q20-Pad2): Q20.2 R253.2
Net-(Q20-Pad5): Q20.5 R255.2
Net-(Q22-Pad2): Q22.2 Q22.6 R181.1 R184.1
Net-(Q22-Pad3): Q4.4 Q22.3 R212.1
Net-(Q22-Pad5): Q22.5 R184.2
Net-(Q23-Pad5): Q23.5 Q23.6 Q23.7 Q23.8 R183.1 U32.1
Net-(Q24-Pad1): Q24.1 R273.2 U24.4
Net-(Q24-Pad3): Q24.3 R269.1 R271.1
Net-(R4-Pad2): R4.2 U3.10
Net-(R5-Pad2): R5.2 U12.10
Net-(R6-Pad1): R6.1 U42.10
Net-(R7-Pad2): R7.2 U53.10
Net-(R8-Pad2): R8.2 U51.8
Net-(R21-Pad2): R21.2 U54.94
Net-(R26-Pad2): R26.2 R27.1 U58.3
Net-(R30-Pad1): R30.1 R31.1 U31.1
Net-(R33-Pad1): R33.1 U2.49
Net-(R34-Pad1): R34.1 U2.50
Net-(R43-Pad1): R43.1 U5.23
Net-(R44-Pad1): R44.1 U5.22
Net-(R64-Pad1): R64.1 U4.8 U6.4
Net-(R65-Pad2): R65.2 R80.2 U4.15
Net-(R66-Pad2): R66.2 U4.30
Net-(R73-Pad2): R73.2 U47.6
Net-(R74-Pad2): R74.2 U36.11
Net-(R76-Pad2): R76.2 U37.11
Net-(R79-Pad1): R79.1 U20.23
Net-(R83-Pad1): R83.1 U5.17
Net-(R91-Pad1): R91.1 U5.16
Net-(R92-Pad2): R92.2 U16.3 U16.4
Net-(R93-Pad2): R93.2 U19.3 U19.4
Net-(R94-Pad2): R94.2 U20.7
Net-(R96-Pad2): R96.2 U20.25
Net-(R97-Pad2): R97.2 U20.26
Net-(R98-Pad2): R98.2 U20.13
Net-(R99-Pad2): R99.2 U20.14
Net-(R100-Pad2): R100.2 U20.15
Net-(R101-Pad2): R101.2 U20.10
Net-(R102-Pad2): R102.2 U20.11
Net-(R103-Pad1): R103.1 Y3.4
Net-(R109-Pad2): R109.2 R110.1 U18.5
Net-(R112-Pad2): R112.2 R116.1 U23.11
Net-(R113-Pad2): R113.2 R114.1 U21.4
Net-(R114-Pad2): R114.2 U21.3 U23.55
Net-(R115-Pad2): R115.2 U21.2 U23.56
Net-(R117-Pad2): R117.2 U21.1 U23.1
Net-(R118-Pad2): R118.2 R119.1 U22.5
Net-(R120-Pad2): R120.2 U23.6
Net-(R121-Pad2): R121.2 U23.24 U24.8
Net-(R122-Pad2): R122.2 U23.12 U26.8
Net-(R123-Pad2): R123.2 U23.26 U24.9
Net-(R124-Pad2): R124.2 U23.13 U26.9
Net-(R125-Pad2): R125.2 U23.14 U33.9
